# KiCad board enclosurefinal01.kicad_pcb (continued)
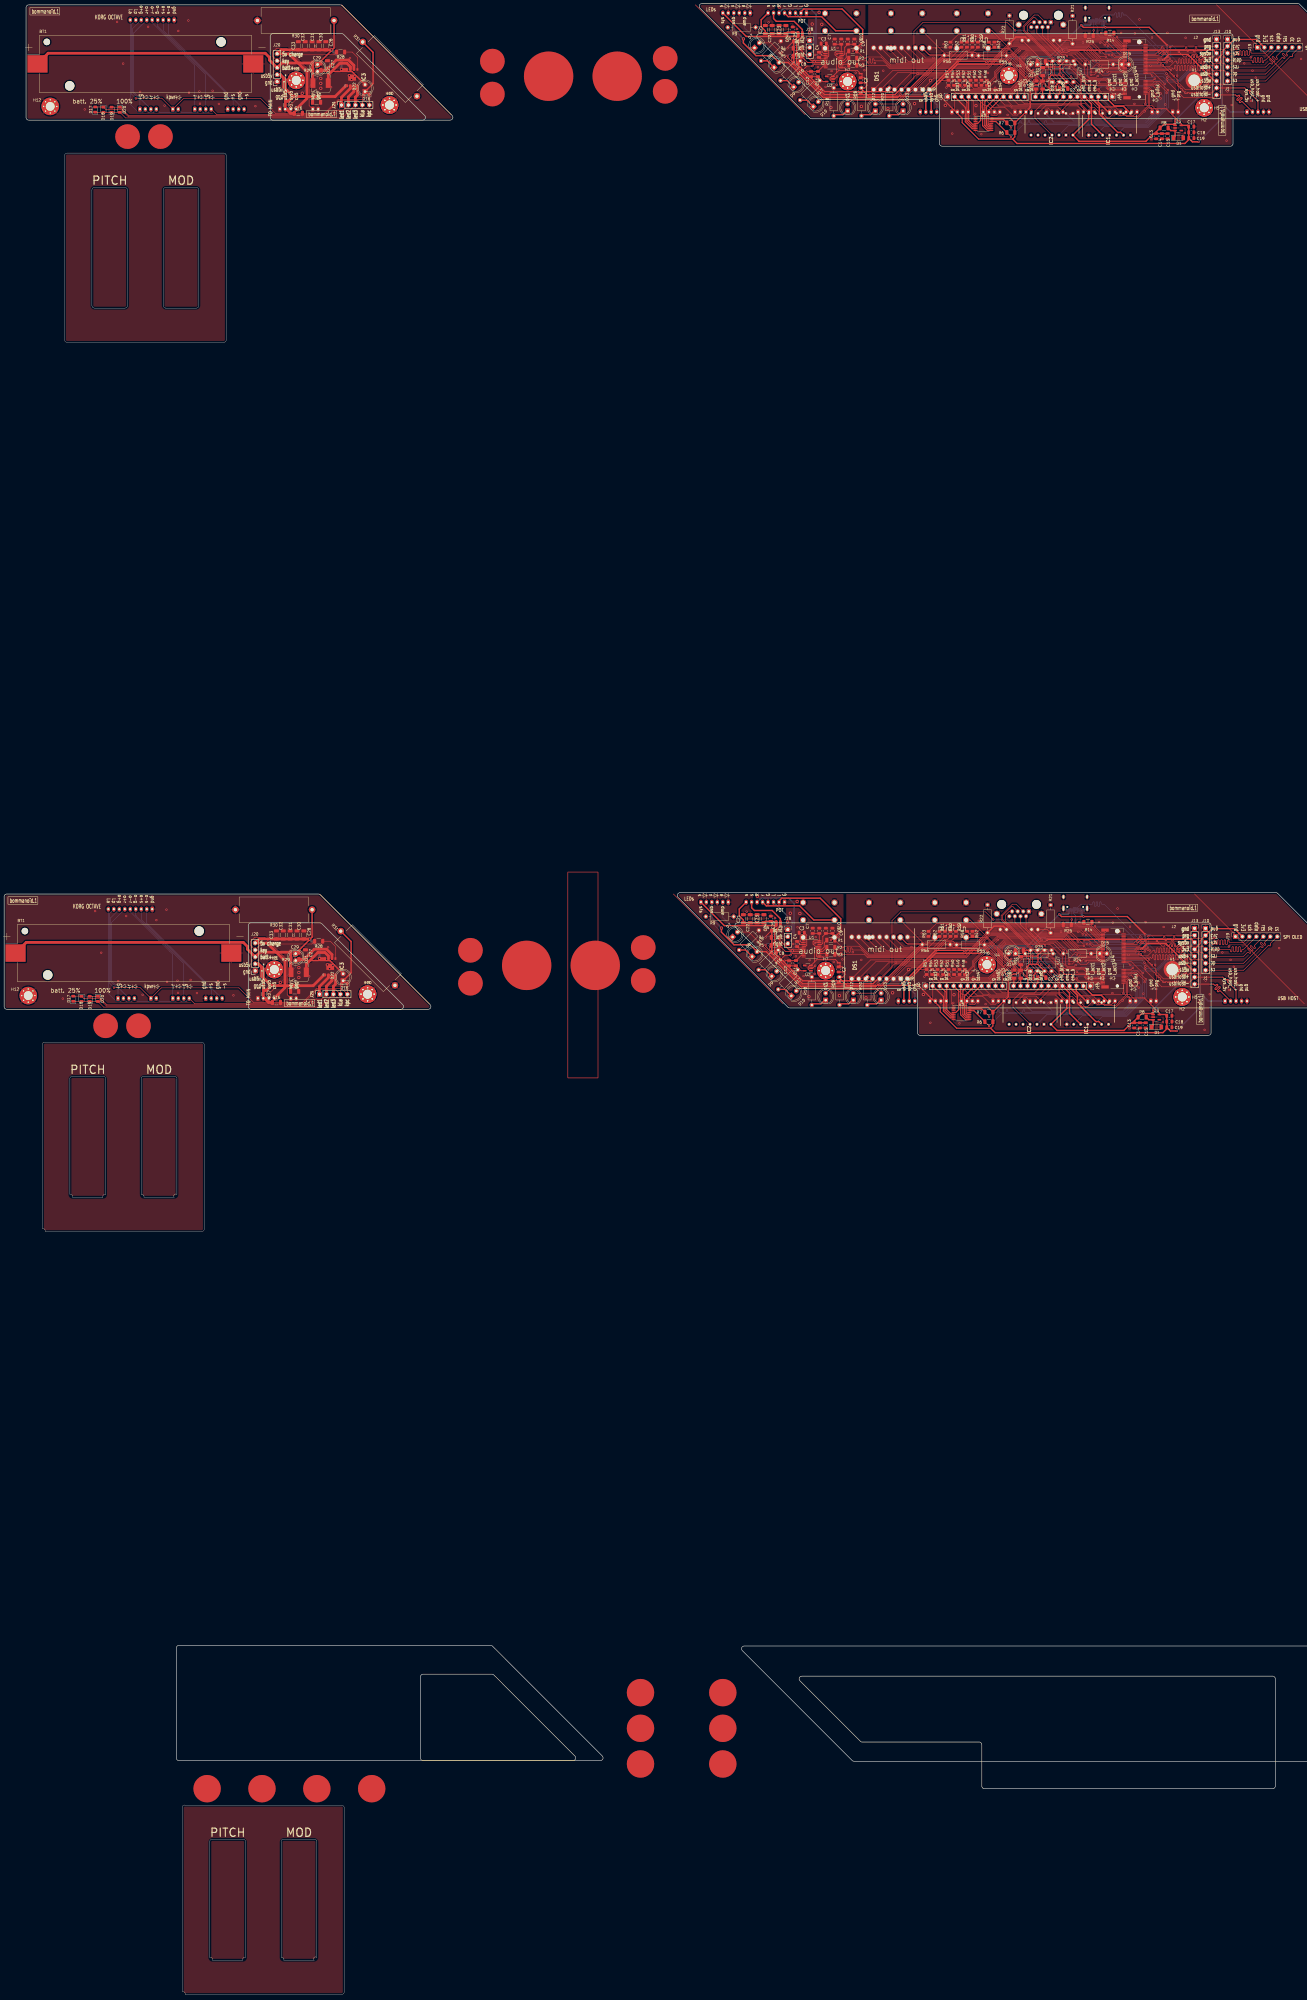
[diagram p0: board, top side]
## Placement (name value [footprint] x y rotation side) (continued)
R63#2  220  [R_0805_2012Metric]  345 710.5 90 top
U1  PCM5102A  [TSSOP-20_4.4x6.5mm_P0.65mm]  302.38 705 0 top
U1#2  PCM5102A  [TSSOP-20_4.4x6.5mm_P0.65mm]  294.38 381 0 top
U2  TLV75733PDBV  [SOT-23-5]  301 698 180 top
U2#2  TLV75733PDBV  [SOT-23-5]  293 374 180 top
U3  TLV75733PDBV  [SOT-23-5]  420.01 356.15 0 top
U3#2  TLV75733PDBV  [SOT-23-5]  428.01 680.15 0 top
U4  APCI0108-P001A Teensy_4.0_MicroMod  [APCI0108-P001A M.2 MicroMod 21992304]  404.19 377.5 90 top
U4#2  APCI0108-P001A Teensy_4.0_MicroMod  [APCI0108-P001A M.2 MicroMod 21992304]  412.19 701.5 90 top
U5  TCA9554PW  [TSSOP-16_4.4x5mm_P0.65mm]  349 357.5 0 top
U5#2  TCA9554PW  [TSSOP-16_4.4x5mm_P0.65mm]  357 681.5 0 top
U6  Micromod outline  [Teensy_4.0_MicroMod outline fab]  408.34 374.8 0 top
U6#2  Micromod outline  [Teensy_4.0_MicroMod outline fab]  416.34 698.8 0 top
U7  6N138  [DIP-8_W7.62mm]  374.2 372.9 90 top
U7#2  6N138  [DIP-8_W7.62mm]  382.2 696.9 90 top
U8  ssd1306_graphic  [SSD1306_128x64_approximate]  450.5 711 0 top
U8#2  ssd1306_graphic  [SSD1306_128x64_approximate]  442.5 387 0 top

## Library data of the parts
C1 C1#2 C6 C6#2 C7 C7#2 C11 C11#2 C13 C13#2 = -: LCSC: C15850; LCSC part number: C15850; verif: 1
C2 C2#2 C9 C9#2 C10 C10#2 C12 C12#2 C15 C15#2 C19 C19#2 C20 C20#2 C25 C25#2 = -: LCSC: C49678; LCSC part number: C49678; verif: 1
C3 C3#2 C4 C4#2 C5 C5#2 C8 C8#2 = -: LCSC: C49217; LCSC part number: C49217; verif: 1
C14 C14#2 C18 C18#2 = -: LCSC: C5378; LCSC part number: C5378; verif: 1
C16 C16#2 C26 C26#2 = -: LCSC: C13585; LCSC part number: C13585; verif: 1
C17 C17#2 = -: LCSC: C28323; LCSC part number: C28323; verif: 1
C21 C21#2 C22 C22#2 C23 C23#2 C24 C24#2 C31 C31#2 C32 C32#2 NT1 NT1#2 R27 R27#2 R28 R28#2 R29 R29#2 U8 U8#2 = -: verif: 1
C27 C27#2 C28 C28#2 C29 C29#2 C30 C30#2 = -: LCSC: C12891; LCSC part number: C12891; verif: 1
C33 C33#2 = -: LCSC: C24497; LCSC part number: C24497; verif: 1
D1 D1#2 = -: LCSC: C393436; LCSC part number: C393436; verif: 1
D2 D2#2 = -: LCSC: C2128; LCSC part number: C2128; verif: 1
D16 D16#2 D17 D17#2 D18 D18#2 D19 D19#2 D20 D20#2 = -: LCSC: C264424; LCSC part number: C264424; verif: 1
DS1 DS1#2 = -: Description: DISPLAY, ALPHANUM., 0.54" GREEN CATH; LED Color:Green; Forward Current If:20mA; Luminous Intensity:6.9mcd; No. of Digits / Alpha:2; Character Size:13.8mm; Supply Voltage:2.2V; Display Area Width:25.2mm; Character Format:14 Segment RoHS Compliant: Yes; Height: 8.05; Manufacturer_Name: Kingbright; Mouser Part Number: 604-PDC54-11GWA; Mouser Price/Stock: https://www.mouser.co.uk/ProductDetail/Kingbright/PDC54-11GWA?qs=oCgOJbGQ3O%2FPlZNPZrbTCw%3D%3D
H1 H1#2 = -: LCSC: C2915630; LCSC part number: C2915630; verif: 1
IC1 IC1#2 IC2 IC2#2 = -: Description: Quadruple Bus Buffer Gates With 3-State Outputs; Height: 5.08; Manufacturer_Name: Texas Instruments; Mouser Part Number: 595-SN74AHCT125N; Mouser Price/Stock: https://www.mouser.co.uk/ProductDetail/Texas-Instruments/SN74AHCT125N?qs=1wQRf3HkBjyxwrHMwAiMfw%3D%3D
IC3 IC3#2 = -: LCSC: C181692; LCSC part number: C181692; verif: 1
J6 J6#2 = -: LCSC: C319148; LCSC part number: C319148; verif: 1
J11 J11#2 J12 J12#2 J14 J14#2 = -: Description: Phone Connectors 1/4"HOR Snap-fit CHASSIS CONN; Height: 12.7; Manufacturer_Name: Amphenol; Manufacturer_Part_Number: ACJS-MHOM; Mouser Part Number: 523-ACJS-MHOM; Mouser Price/Stock: https://www.mouser.co.uk/ProductDetail/Amphenol-Audio/ACJS-MHOM?qs=t8VhaDIDl4vZ9ROsgrVY0w%3D%3D
L1 L1#2 = -: LCSC: C385251; LCSC part number: C385251; verif: 1
R1 R1#2 R2 R2#2 R3 R3#2 = -: LCSC: C17958; LCSC part number: C17958; verif: 1
R4 R4#2 R5 R5#2 R11 R11#2 = -: LCSC: C4502; LCSC part number: C4502; verif: 1
R6 R6#2 R7 R7#2 = -: LCSC: C17936; LCSC part number: C17936; verif: 1
R8 R8#2 = -: LCSC: C17900; LCSC part number: C17900; verif: 1
R10 R10#2 = -: LCSC: C17957; LCSC part number: C17957; verif: 1
R12 R12#2 R13 R13#2 = -: LCSC: C17969; LCSC part number: C17969; verif: 1
R14 R14#2 R25 R25#2 = -: LCSC: C26033; LCSC part number: C26033; verif: 1
U1 U1#2 = -: LCSC: C107671; LCSC part number: C107671; verif: 1
U2 U2#2 U3 U3#2 = -: LCSC: C485517; LCSC part number: C485517; verif: 1
U4 U4#2 = -: LCSC: C841659; LCSC part number: C841659; verif: 1
U6 U6#2 = -: verif: 1; Field7: Teensy_4.0_MicroMod
U7 U7#2 = -: LCSC: C571211; LCSC part number: C571211; verif: 1

## Footprints (pads in the part's own frame, mm; a bottom-side part is the same pattern mirrored in y, then rotated)
ACJSMHOM
  round 2.25 hole 1.5: 1(0,0) 2(6.35,0) 3(12.7,0) 4(12.7,11.43) 5(6.35,11.43) 6(0,11.43)
APCI0108-P001A M.2 MicroMod 21992304
  round 1.15 hole 1.15 unplated: (-10,-1.65)
  round 1.65 hole 1.65 unplated: (10,-1.65)
  rect 0.3x1.55 smd: 1(-9.25,3.625) 2(-9,-3.925) 3(-8.75,3.625) 4(-8.5,-3.925) 5(-8.25,3.625) 6(-8,-3.925) 7(-7.75,3.625) 8(-7.5,-3.925) 9(-7.25,3.625) 10(-7,-3.925) 11(-6.75,3.625) 12(-6.5,-3.925) 13(-6.25,3.625) 14(-6,-3.925) 15(-5.75,3.625) 16(-5.5,-3.925) 17(-5.25,3.625) 18(-5,-3.925) 19(-4.75,3.625) 20(-4.5,-3.925) 21(-4.25,3.625) 22(-4,-3.925) 23(-3.75,3.625) 32(-1.5,-3.925) 33(-1.25,3.625) 34(-1,-3.925) 35(-0.75,3.625) 36(-0.5,-3.925) 37(-0.25,3.625) 38(0,-3.925) 39(0.25,3.625) 40(0.5,-3.925) 41(0.75,3.625) 42(1,-3.925) 43(1.25,3.625) 44(1.5,-3.925) 45(1.75,3.625) 46(2,-3.925) 47(2.25,3.625) 48(2.5,-3.925) 49(2.75,3.625) 50(3,-3.925) 51(3.25,3.625) 52(3.5,-3.925) 53(3.75,3.625) 54(4,-3.925) 55(4.25,3.625) 56(4.5,-3.925) 57(4.75,3.625) 58(5,-3.925) 59(5.25,3.625) 60(5.5,-3.925) 61(5.75,3.625) 62(6,-3.925) 63(6.25,3.625) 64(6.5,-3.925) 65(6.75,3.625) 66(7,-3.925) 67(7.25,3.625) 68(7.5,-3.925) 69(7.75,3.625) 70(8,-3.925) 71(8.25,3.625) 72(8.5,-3.925) 73(8.75,3.625) 74(9,-3.925) 75(9.25,3.625)
  rect 1.2x2.75 smd: MP1(-10.35,2.85) MP2(10.35,2.85)
BatteryHolder_Keystone_1042_1x18650
  round 2.39 hole 2.39 unplated: (-35.93,8)
  round 3.45 hole 3.45 unplated: (-27.6,-8) (27.6,8)
  rect 7.34x6.35 smd: 1(-39.33,0) 2(39.33,0)
C_0805_2012Metric
  rrect 1x1.45 smd: 1(-0.95,0) 2(0.95,0)
C_1206_3216Metric
  rrect 1.15x1.8 smd: 1(-1.475,0) 2(1.475,0)
D_MiniMELF
  rect 1.3x1.7 smd: 1(-1.75,0) 2(1.75,0)
D_SOD-323
  rect 0.6x0.45 smd: 1(-1.05,0) 2(1.05,0)
DIP794W53P254L1930H508Q14N
  rect 1.13x1.13 hole 0.73: 1(-3.97,7.62)
  round 1.13 hole 0.73: 2(-3.97,5.08) 3(-3.97,2.54) 4(-3.97,0) 5(-3.97,-2.54) 6(-3.97,-5.08) 7(-3.97,-7.62) 8(3.97,-7.62) 9(3.97,-5.08) 10(3.97,-2.54) 11(3.97,0) 12(3.97,2.54) 13(3.97,5.08) 14(3.97,7.62)
DIP-8_W7.62mm
  rect 1.6x1.6 hole 0.8: 1(0,0)
  oval 1.6x1.6 hole 0.8: 2(0,-2.54) 3(0,-5.08) 4(0,-7.62) 5(7.62,-7.62) 6(7.62,-5.08) 7(7.62,-2.54) 8(7.62,0)
DIPS1524W75P254L2520H805Q18N
  rect 1.875x1.875 hole 1.25: 1(0,0)
  round 1.875 hole 1.25: 2(0,-2.54) 3(0,-5.08) 4(0,-7.62) 5(0,-10.16) 6(0,-12.7) 7(0,-15.24) 8(0,-17.78) 9(0,-20.32) 10(15.24,-20.32) 11(15.24,-17.78) 12(15.24,-15.24) 13(15.24,-12.7) 14(15.24,-10.16) 15(15.24,-7.62) 16(15.24,-5.08) 17(15.24,-2.54) 18(15.24,0)
Inductor_MCS0630-1R0MN2
  rect 1.85x3.5 smd: 1(-2.8,3.4) 2(2.8,3.4)
JST_PH_B2B-PH-K_1x02_P2.00mm_Vertical
  rrect 1.2x1.75 hole 0.75: 1(0,0)
  oval 1.2x1.75 hole 0.75: 2(2,0)
JST_PH_B4B-PH-K_1x04_P2.00mm_Vertical
  rrect 1.2x1.75 hole 0.75: 1(0,0)
  oval 1.2x1.75 hole 0.75: 2(2,0) 3(4,0) 4(6,0)
JST_PH_B5B-PH-K_1x05_P2.00mm_Vertical
  rrect 1.2x1.75 hole 0.75: 1(0,0)
  oval 1.2x1.75 hole 0.75: 2(2,0) 3(4,0) 4(6,0) 5(8,0)
JST_PH_B6B-PH-K_1x06_P2.00mm_Vertical
  rrect 1.2x1.75 hole 0.75: 1(0,0)
  oval 1.2x1.75 hole 0.75: 2(2,0) 3(4,0) 4(6,0) 5(8,0) 6(10,0)
JST_PH_B8B-PH-K_1x08_P2.00mm_Vertical
  rrect 1.2x1.75 hole 0.75: 1(0,0)
  oval 1.2x1.75 hole 0.75: 2(2,0) 3(4,0) 4(6,0) 5(8,0) 6(10,0) 7(12,0) 8(14,0)
JST_PH_B9B-PH-K_1x09_P2.00mm_Vertical
  rrect 1.2x1.75 hole 0.75: 1(0,0)
  oval 1.2x1.75 hole 0.75: 2(2,0) 3(4,0) 4(6,0) 5(8,0) 6(10,0) 7(12,0) 8(14,0) 9(16,0)
LED_0805_2012Metric
  rrect 0.975x1.4 smd: 1(-0.938,0) 2(0.938,0)
LED_D5.0mm_withbottomtext
  rect 1.8x1.8 hole 0.9: 1(0,0)
  round 1.8 hole 0.9: 2(2.54,0)
MountingHole_3.2mm_M3_Pad_Via
  round 0.8 hole 0.5: 1(-2.4,0) 1(-1.697,1.697) 1(-1.697,-1.697) 1(0,2.4) 1(0,-2.4) 1(1.697,1.697) 1(1.697,-1.697) 1(2.4,0)
  round 6.4 hole 3.2: 1(0,0)
NetTie-2_SMD_Pad0.5mm
  round 0.5 smd: 1(-0.5,0) 2(0.5,0)
NetTie-2_SMD_Pad1.0mm
  round 1 smd: 1(-0.35,0) 2(1.15,0)
PinHeader_1x03_P2.54mm_Vertical
  rect 1.7x1.7 hole 1: 1(0,0)
  oval 1.7x1.7 hole 1: 2(0,-2.54) 3(0,-5.08)
PinHeader_1x07_P2.54mm_Vertical
  rect 1.7x1.7 hole 1: 1(0,0)
  oval 1.7x1.7 hole 1: 2(0,-2.54) 3(0,-5.08) 4(0,-7.62) 5(0,-10.16) 6(0,-12.7) 7(0,-15.24)
PinHeader_1x09_P2.54mm_Vertical
  rect 1.7x1.7 hole 1: 1(0,0)
  oval 1.7x1.7 hole 1: 2(0,-2.54) 3(0,-5.08) 4(0,-7.62) 5(0,-10.16) 6(0,-12.7) 7(0,-15.24) 8(0,-17.78) 9(0,-20.32)
PinHeader_1x12_P2.54mm_Vertical
  rect 1.7x1.7 hole 1: 1(0,0)
  oval 1.7x1.7 hole 1: 2(0,-2.54) 3(0,-5.08) 4(0,-7.62) 5(0,-10.16) 6(0,-12.7) 7(0,-15.24) 8(0,-17.78) 9(0,-20.32) 10(0,-22.86) 11(0,-25.4) 12(0,-27.94)
PinSocket_1x03_P2.54mm_Vertical
  rect 1.7x1.7 hole 1: 1(0,0)
  oval 1.7x1.7 hole 1: 2(0,-2.54) 3(0,-5.08)
PinSocket_1x05_P2.54mm_Vertical
  rect 1.7x1.7 hole 1: 1(0,0)
  oval 1.7x1.7 hole 1: 2(0,-2.54) 3(0,-5.08) 4(0,-7.62) 5(0,-10.16)
PinSocket_1x07_P2.54mm_Vertical
  rect 1.7x1.7 hole 1: 1(0,0)
  oval 1.7x1.7 hole 1: 2(0,-2.54) 3(0,-5.08) 4(0,-7.62) 5(0,-10.16) 6(0,-12.7) 7(0,-15.24)
PinSocket_1x09_P2.54mm_Vertical
  rect 1.7x1.7 hole 1: 1(0,0)
  oval 1.7x1.7 hole 1: 2(0,-2.54) 3(0,-5.08) 4(0,-7.62) 5(0,-10.16) 6(0,-12.7) 7(0,-15.24) 8(0,-17.78) 9(0,-20.32)
PinSocket_1x12_P2.54mm_Vertical
  rect 1.7x1.7 hole 1: 1(0,0)
  oval 1.7x1.7 hole 1: 2(0,-2.54) 3(0,-5.08) 4(0,-7.62) 5(0,-10.16) 6(0,-12.7) 7(0,-15.24) 8(0,-17.78) 9(0,-20.32) 10(0,-22.86) 11(0,-25.4) 12(0,-27.94)
R_0805_2012Metric
  rrect 1.025x1.4 smd: 1(-0.912,0) 2(0.912,0)
R_1206_3216Metric
  rrect 1.125x1.75 smd: 1(-1.462,0) 2(1.462,0)
R_Axial_DIN0207_L6.3mm_D2.5mm_P10.16mm_Horizontal
  round 1.6 hole 0.8: 1(0,0)
  oval 1.6x1.6 hole 0.8: 2(10.16,0)
R_Axial_Power_L25.0mm_W9.0mm_P27.94mm
  round 2.4 hole 1.2: 1(0,0)
  oval 2.4x2.4 hole 1.2: 2(27.94,0)
RJ45_Amphenol_RJHSE538X
  round 3.25 hole 3.25 unplated: (-2.79,2.54) (9.91,2.54)
  rect 1.5x1.5 hole 0.89: 1(0,0)
  round 1.5 hole 0.89: 2(1.016,-1.78) 3(2.032,0) 4(3.048,-1.78) 5(4.064,0) 6(5.08,-1.78) 7(6.096,0) 8(7.112,-1.78) 9(-3.3,-6.6) 10(-1.01,-6.6) 11(8.13,-6.6) 12(10.42,-6.6)
  round 2.3 hole 1.57: SH(-4.57,-0.89) SH(11.69,-0.89)
Sinhoo SMTSO2530CTJ
  round 6.2 hole 4.22: 1(0,0)
SOIC127P599X155-9N (IP5306)
  rect 0.95x0.7 smd: 1(-2.975,1.905) 2(-2.975,0.635) 3(-2.975,-0.635) 4(-2.975,-1.905) 5(2.975,-1.905) 6(2.975,-0.635) 7(2.975,0.635) 8(2.975,1.905)
  rect 2.25x2.85 smd: 9(0,0)
SOT-23-5
  rrect 1.325x0.6 smd: 1(-1.137,0.95) 2(-1.137,0) 3(-1.137,-0.95) 4(1.137,-0.95) 5(1.137,0.95)
TSSOP-16_4.4x5mm_P0.65mm
  rrect 1.475x0.4 smd: 1(-2.862,2.275) 2(-2.862,1.625) 3(-2.862,0.975) 4(-2.862,0.325) 5(-2.862,-0.325) 6(-2.862,-0.975) 7(-2.862,-1.625) 8(-2.862,-2.275) 9(2.862,-2.275) 10(2.862,-1.625) 11(2.862,-0.975) 12(2.862,-0.325) 13(2.862,0.325) 14(2.862,0.975) 15(2.862,1.625) 16(2.862,2.275)
TSSOP-20_4.4x6.5mm_P0.65mm
  rrect 1.475x0.4 smd: 1(-2.862,2.925) 2(-2.862,2.275) 3(-2.862,1.625) 4(-2.862,0.975) 5(-2.862,0.325) 6(-2.862,-0.325) 7(-2.862,-0.975) 8(-2.862,-1.625) 9(-2.862,-2.275) 10(-2.862,-2.925) 11(2.862,-2.925) 12(2.862,-2.275) 13(2.862,-1.625) 14(2.862,-0.975) 15(2.862,-0.325) 16(2.862,0.325) 17(2.862,0.975) 18(2.862,1.625) 19(2.862,2.275) 20(2.862,2.925)
USB_C_Receptacle_XKB_U262-16XN-4BVC11
  round 0.65 hole 0.65 unplated: (-2.89,2.605) (2.89,2.605)
  rect 0.3x1.15 smd: A1(-3.35,3.67) A4(-2.55,3.67) A5(-1.25,3.67) A6(-0.25,3.67) A7(0.25,3.67) A8(1.25,3.67) A9(2.55,3.67) A12(3.35,3.67) B1(3.05,3.67) B4(2.25,3.67) B5(1.75,3.67) B6(0.75,3.67) B7(-0.75,3.67) B8(-1.75,3.67) B9(-2.25,3.67) B12(-3.05,3.67)
  oval 1x1.6 hole 0.6x1.2: S1(-4.32,-1.075) S1(4.32,-1.075)
  oval 1x2.1 hole 0.6x1.7: S1(-4.32,3.105) S1(4.32,3.105)

## Nets
/bommanoid_batt_bottom/5v_charge_outp: J23.5 J23#2.5 J34.4 J34#2.4
/bommanoid_batt_bottom/gnd: BT1.2 BT1#2.2 H10.1 H10#2.1 H11.1 H11#2.1 H12.1 H12#2.1 J23.1 J23#2.1 J25.1 J25#2.1 J26.2 J26#2.2 J34.1 J34#2.1 J53.1 J53.3 J53#2.1 J53#2.3 R30.2 R30#2.2 R31.2 R31#2.2
/bommanoid_batt_top/gnd: C16.2 C16#2.2 C26.2 C26#2.2 C27.2 C27#2.2 C28.2 C28#2.2 C29.2 C29#2.2 C30.2 C30#2.2 C31.2 C31#2.2 C32.2 C32#2.2 C33.2 C33#2.2 H8.1 H8#2.1 H9.1 H9#2.1 IC3.9 IC3#2.9 J20.1 J20#2.1
/bommanoid_main_bottom/3v3: J10.2 J10#2.2 J13.4 J13#2.4 J19.2 J19#2.2
/bommanoid_main_bottom/agnd: H7.1 H7#2.1 J12.3 J12.4 J12#2.3 J12#2.4 J18.1 J18#2.1 J33.1 J33.4 J33#2.1 J33#2.4
/bommanoid_main_bottom/gnd: C21.2 C21#2.2 C22.2 C22#2.2 C23.2 C23#2.2 C24.2 C24#2.2 C25.2 C25#2.2 H5.1 H5#2.1 H6.1 H6#2.1 J6.A1 J6.A12 J6.B1 J6.B12 J6.S1 J6#2.A1 J6#2.A12 J6#2.B1 J6#2.B12 J6#2.S1 J7.1 J7.3 J7#2.1 J7#2.3 J8.1 J8#2.1 J9.1 J9#2.1 J10.1 J10#2.1 J11.3 J11.4 J11#2.3 J11#2.4 J13.1 J13#2.1 J14.3 J14.4 J14#2.3 J14#2.4 J15.1 J15#2.1 J16.1 J16#2.1 J17.1 J17.SH J17#2.1 J17#2.SH J19.1 J19#2.1 J22.1 J22.3 J22.5 J22#2.1 J22#2.3 J22#2.5 J32.4 J32.5 J32#2.4 J32#2.5 J49.1 J49.3 J49#2.1 J49#2.3 J50.1 J50.3 J50#2.1 J50#2.3 J51.1 J51.3 J51#2.1 J51#2.3 J52.1 J52#2.1 J56.1 J56#2.1 J57.1 J57.3 J57.5 J57#2.1 J57#2.3 J57#2.5 R9.2 R9#2.2 R14.1 R14#2.1 R15.2 R15#2.2 R16.2 R16#2.2 R17.2 R17#2.2 R18.2 R18#2.2 R19.2 R19#2.2 R20.2 R20#2.2 R21.1 R21#2.1 R22.1 R22#2.1 R23.2 R23#2.2 R24.2 R24#2.2 R25.1 R25#2.1
/bommanoid_main_top/3v3: C1.1 C1#2.1 C2.1 C2#2.1 C17.1 C17#2.1 C18.1 C18#2.1 C19.1 C19#2.1 J1.2 J1#2.2 J2.4 J2#2.4 NT1.1 NT1#2.1 R6.2 R6#2.2 R7.2 R7#2.2 R11.1 R11#2.1 R12.2 R12#2.2 U3.5 U3#2.5 U4.2 U4#2.2 U5.16 U5#2.16
/bommanoid_main_top/a3v3: C11.1 C11#2.1 C12.1 C12#2.1 U1.1 U1.8 U1#2.1 U1#2.8 U2.5 U2#2.5
/bommanoid_main_top/agnd: C5.2 C5#2.2 C8.2 C8#2.2 C11.2 C11#2.2 C12.2 C12#2.2 H3.1 H3#2.1 J5.1 J5#2.1 U1.9 U1#2.9
/bommanoid_main_top/d3v3: C7.2 C7#2.2 C10.2 C10#2.2 NT1.2 NT1#2.2 U1.17 U1.20 U1#2.17 U1#2.20 U2.1 U2.3 U2#2.1 U2#2.3
/bommanoid_main_top/gnd: C1.2 C1#2.2 C2.2 C2#2.2 C6.2 C6#2.2 C7.1 C7#2.1 C9.2 C9#2.2 C10.1 C10#2.1 C13.2 C13#2.2 C14.2 C14#2.2 C15.2 C15#2.2 C17.2 C17#2.2 C18.2 C18#2.2 C19.2 C19#2.2 C20.2 C20#2.2 D1.2 D1#2.2 H1.1 H1#2.1 H2.1 H2#2.1 H4.1 H4#2.1 IC1.1 IC1.4 IC1.7 IC1.10 IC1.13 IC1#2.1 IC1#2.4 IC1#2.7 IC1#2.10 IC1#2.13 IC2.1 IC2.4 IC2.7 IC2.13 IC2#2.1 IC2#2.4 IC2#2.7 IC2#2.13 J1.1 J1#2.1 J2.1 J2#2.1 J3.1 J3#2.1 J4.1 J4#2.1 U1.10 U1.11 U1.16 U1.19 U1#2.10 U1#2.11 U1#2.16 U1#2.19 U2.2 U2#2.2 U3.2 U3#2.2 U4.1 U4.7 U4.33 U4.36 U4.39 U4.45 U4.75 U4#2.1 U4#2.7 U4#2.33 U4#2.36 U4#2.39 U4#2.45 U4#2.75 U5.1 U5.2 U5.3 U5.8 U5#2.1 U5#2.2 U5#2.3 U5#2.8 U7.5 U7#2.5
/bommanoid_batt_bottom/batt+: BT1.1 BT1#2.1 J23.3 J23#2.3
/bommanoid_batt_bottom/chargeled_1: D17.2 D17#2.2 D18.1 D18#2.1 J24.1 J24#2.1
/bommanoid_batt_bottom/chargeled_2: D19.2 D19#2.2 D20.1 D20#2.1 J24.2 J24#2.2
/bommanoid_batt_bottom/chargeled_3: D17.1 D17#2.1 D18.2 D18#2.2 D19.1 D19#2.1 D20.2 D20#2.2 J24.3 J24#2.3
/bommanoid_batt_bottom/key: J23.4 J23#2.4 J26.1 J26#2.1
/bommanoid_batt_bottom/korg_led_anode: J24.4 J24#2.4 J25.9 J25#2.9 J54.2 J54#2.2 J55.2 J55.4 J55#2.2 J55#2.4 J58.2 J58.4 J58#2.2 J58#2.4
/bommanoid_batt_bottom/korg_power_led_cathode: J24.5 J24#2.5 J25.8 J25#2.8 J54.1 J54#2.1
/bommanoid_batt_bottom/oct_down_green_cathode: J25.4 J25#2.4 J55.3 J55#2.3
/bommanoid_batt_bottom/oct_down_red_cathode: J25.5 J25#2.5 J55.1 J55#2.1
/bommanoid_batt_bottom/oct_down_sw: J25.2 J25#2.2 J53.4 J53#2.4
/bommanoid_batt_bottom/oct_up_green_cathode: J25.7 J25#2.7 J58.1 J58#2.1
/bommanoid_batt_bottom/oct_up_red_cathode: J25.6 J25#2.6 J58.3 J58#2.3
/bommanoid_batt_bottom/oct_up_sw: J25.3 J25#2.3 J53.2 J53#2.2
/bommanoid_batt_bottom/sys_5v: D21.2 D21#2.2 D22.2 D22#2.2 J34.3 J34#2.3
/bommanoid_batt_bottom/usb_5v: J23.2 J23#2.2 J34.2 J34#2.2
/bommanoid_batt_top/batt+: C29.1 C29#2.1 J20.3 J20#2.3 L1.2 L1#2.2 R29.1 R29#2.1
/bommanoid_batt_top/chargeled_1: IC3.2 IC3#2.2 J21.1 J21#2.1
/bommanoid_batt_top/chargeled_2: IC3.3 IC3#2.3 J21.2 J21#2.2
/bommanoid_batt_top/chargeled_3: IC3.4 IC3#2.4 J21.3 J21#2.3
/bommanoid_batt_top/charger output +5v: C28.1 C28#2.1 C30.1 C30#2.1 C31.1 C31#2.1 C32.1 C32#2.1 C33.1 C33#2.1 IC3.8 IC3#2.8 J20.5 J20#2.5
/bommanoid_batt_top/key: J20.4 J20#2.4 R28.2 R28#2.2
/bommanoid_batt_top/korg_power_led_anode: D16.2 D16#2.2 J21.4 J21#2.4
/bommanoid_batt_top/korg_power_led_cathode: D16.1 D16#2.1 J21.5 J21#2.5
/bommanoid_batt_top/usb_5v: C26.1 C26#2.1 IC3.1 IC3#2.1 J20.2 J20#2.2 R27.1 R27#2.1
/bommanoid_main_bottom/aleft_post_pot: J12.6 J12#2.6 J33.2 J33#2.2
/bommanoid_main_bottom/aleft_pre_pot: J18.2 J18#2.2 J33.3 J33#2.3
/bommanoid_main_bottom/amp_5v: D7.2 D7#2.2 J17.8 J17#2.8 J22.2 J22#2.2
/bommanoid_main_bottom/aright_post_pot: J12.5 J12#2.5 J33.5 J33#2.5
/bommanoid_main_bottom/aright_pre_pot: J18.3 J18#2.3 J33.6 J33#2.6
/bommanoid_main_bottom/btn_x1: J16.2 J16#2.2 J49.2 J49#2.2
/bommanoid_main_bottom/btn_x2: J16.3 J16#2.3 J49.4 J49#2.4
/bommanoid_main_bottom/btn_x3: J16.4 J16#2.4 J50.2 J50#2.2
/bommanoid_main_bottom/btn_x4: J16.5 J16#2.5 J50.4 J50#2.4
/bommanoid_main_bottom/btn_x5: J16.6 J16#2.6 J51.2 J51#2.2
/bommanoid_main_bottom/btn_x6: J16.7 J16#2.7 J51.4 J51#2.4
/bommanoid_main_bottom/btn_x7: J7.2 J7#2.2 J16.8 J16#2.8
/bommanoid_main_bottom/btn_x8: J7.4 J7#2.4 J16.9 J16#2.9
/bommanoid_main_bottom/chargeoutp_5v: J8.4 J8#2.4 NT4.2 NT4#2.2
/bommanoid_main_bottom/enc_a: J16.11 J16#2.11 J52.3 J52#2.3
/bommanoid_main_bottom/enc_b: J16.12 J16#2.12 J52.4 J52#2.4
/bommanoid_main_bottom/enc_btn: J16.10 J16#2.10 J52.2 J52#2.2
/bommanoid_main_bottom/led_act1_5v: D11.2 D11#2.2 J15.3 J15#2.3 J17.5 J17#2.5 J57.2 J57#2.2
/bommanoid_main_bottom/led_act2_5v: D12.2 D12#2.2 J15.4 J15#2.4 J17.6 J17#2.6 J57.4 J57#2.4
/bommanoid_main_bottom/led_act3_5v: D13.2 D13#2.2 J15.5 J15#2.5 J17.7 J17#2.7 J57.6 J57#2.6
/bommanoid_main_bottom/led_blink_5v: D10.2 D10#2.2 J15.2 J15#2.2 J17.4 J17#2.4 J56.2 J56#2.2
/bommanoid_main_bottom/led_rj45_green_5v: J15.7 J15#2.7 J17.12 J17#2.12
/bommanoid_main_bottom/led_rj45_yellow_5v: J15.6 J15#2.6 J17.10 J17#2.10
/bommanoid_main_bottom/midi_in_ring: J14.5 J14#2.5 J15.9 J15#2.9
/bommanoid_main_bottom/midi_in_tip: J14.6 J14#2.6 J15.10 J15#2.10
/bommanoid_main_bottom/midi_out_ring: J11.5 J11#2.5 J15.11 J15#2.11
/bommanoid_main_bottom/midi_out_tip: J11.6 J11#2.6 J15.12 J15#2.12
/bommanoid_main_bottom/oled_cs: J10.7 J10#2.7 J19.7 J19#2.7
/bommanoid_main_bottom/oled_data: J10.4 J10#2.4 J19.4 J19#2.4
/bommanoid_main_bottom/oled_dc: J10.6 J10#2.6 J19.6 J19#2.6
/bommanoid_main_bottom/oled_rst: J10.5 J10#2.5 J19.5 J19#2.5
/bommanoid_main_bottom/oled_sck: J10.3 J10#2.3 J19.3 J19#2.3
/bommanoid_main_bottom/pot_sw1: J33.7 J33#2.7 NT4.1 NT4#2.1
/bommanoid_main_bottom/pot_sw2: C21.1 C21#2.1 C22.1 C22#2.1 C23.1 C23#2.1 C24.1 C24#2.1 C25.1 C25#2.1 J33.8 J33#2.8 NT5.1 NT5#2.1
/bommanoid_main_bottom/prg: J9.2 J9#2.2 J13.2 J13#2.2
/bommanoid_main_bottom/sys_5v: D9.2 D9#2.2 D14.2 D14#2.2 D15.2 D15#2.2 J8.3 J8#2.3 J13.3 J13#2.3 J17.2 J17#2.2 J22.6 J22#2.6 J32.1 J32#2.1 NT5.2 NT5#2.2
/bommanoid_main_bottom/usb_5v: D8.2 D8#2.2 J6.A4 J6.A9 J6.B4 J6.B9 J6#2.A4 J6#2.A9 J6#2.B4 J6#2.B9 J8.2 J8#2.2 J13.7 J13#2.7 J22.4 J22#2.4
/bommanoid_main_bottom/usb_data_+: J6.A6 J6.B6 J6#2.A6 J6#2.B6 J13.5 J13#2.5
/bommanoid_main_bottom/usb_data_-: J6.A7 J6.B7 J6#2.A7 J6#2.B7 J13.6 J13#2.6
/bommanoid_main_bottom/usb_host_+: J13.8 J13#2.8 J32.3 J32#2.3
/bommanoid_main_bottom/usb_host_-: J13.9 J13#2.9 J32.2 J32#2.2
/bommanoid_main_bottom/ws2812_data_5v: J15.8 J15#2.8 J17.3 J17#2.3
/bommanoid_main_top/aleft: C5.1 C5#2.1 J5.2 J5#2.2 R4.2 R4#2.2
/bommanoid_main_top/aright: C8.1 C8#2.1 J5.3 J5#2.3 R5.2 R5#2.2
/bommanoid_main_top/btn_x1: J4.2 J4#2.2 U5.7 U5#2.7
/bommanoid_main_top/btn_x2: J4.3 J4#2.3 U5.6 U5#2.6
/bommanoid_main_top/btn_x3: J4.4 J4#2.4 U5.5 U5#2.5
/bommanoid_main_top/btn_x4: J4.5 J4#2.5 U5.4 U5#2.4
/bommanoid_main_top/btn_x5: J4.6 J4#2.6 U5.9 U5#2.9
/bommanoid_main_top/btn_x6: J4.7 J4#2.7 U5.10 U5#2.10
/bommanoid_main_top/btn_x7: J4.8 J4#2.8 U5.11 U5#2.11
/bommanoid_main_top/btn_x8: J4.9 J4#2.9 U5.12 U5#2.12
/bommanoid_main_top/enc_a: J4.11 J4#2.11 U4.43 U4#2.43
/bommanoid_main_top/enc_b: J4.12 J4#2.12 U4.41 U4#2.41
/bommanoid_main_top/enc_btn: J4.10 J4#2.10 U4.47 U4#2.47
/bommanoid_main_top/I2C_SCL: R6.1 R6#2.1 U4.14 U4#2.14 U5.14 U5#2.14
/bommanoid_main_top/I2C_SDA: R7.1 R7#2.1 U4.12 U4#2.12 U5.15 U5#2.15
/bommanoid_main_top/I2S_BCK_MM: R3.1 R3#2.1 U4.50 U4#2.50
/bommanoid_main_top/I2S_DIN_MM: R2.1 R2#2.1 U4.56 U4#2.56
/bommanoid_main_top/I2S_LRCK_MM: R1.1 R1#2.1 U4.52 U4#2.52
/bommanoid_main_top/ld_a: R62.2 R62#2.2 U4.71 U4#2.71
/bommanoid_main_top/ld_b: R63.2 R63#2.2 U4.73 U4#2.73
/bommanoid_main_top/ld_c: R57.1 R57#2.1 U4.22 U4#2.22
/bommanoid_main_top/ld_d: R53.1 R53#2.1 U4.38 U4#2.38
/bommanoid_main_top/LD_dig1: R55.2 R55#2.2 U4.53 U4#2.53
/bommanoid_main_top/LD_dig2: R56.2 R56#2.2 U4.58 U4#2.58
/bommanoid_main_top/ld_dp: R54.1 R54#2.1 U4.32 U4#2.32
/bommanoid_main_top/ld_e: R48.1 R48#2.1 U4.49 U4#2.49
/bommanoid_main_top/ld_f: R47.1 R47#2.1 U4.63 U4#2.63
/bommanoid_main_top/ld_g: R58.2 R58#2.2 U4.60 U4#2.60
/bommanoid_main_top/ld_h: R59.2 R59#2.2 U4.65 U4#2.65
/bommanoid_main_top/ld_j: R60.2 R60#2.2 U4.67 U4#2.67
/bommanoid_main_top/ld_k: R52.1 R52#2.1 U4.44 U4#2.44
/bommanoid_main_top/ld_l: R51.1 R51#2.1 U4.46 U4#2.46
/bommanoid_main_top/ld_m: R50.1 R50#2.1 U4.48 U4#2.48
/bommanoid_main_top/ld_n: R49.1 R49#2.1 U4.51 U4#2.51
/bommanoid_main_top/ld_p: R61.2 R61#2.2 U4.69 U4#2.69
/bommanoid_main_top/led_act1_3v3: IC1.12 IC1#2.12 U4.8 U4#2.8
/bommanoid_main_top/led_act1_5v: IC1.11 IC1#2.11 J3.3 J3#2.3
/bommanoid_main_top/led_act2_3v3: IC1.5 IC1#2.5 U4.20 U4#2.20
/bommanoid_main_top/led_act2_5v: IC1.6 IC1#2.6 J3.4 J3#2.4
/bommanoid_main_top/led_act3_3v3: IC1.2 IC1#2.2 U4.18 U4#2.18
/bommanoid_main_top/led_act3_5v: IC1.3 IC1#2.3 J3.5 J3#2.5
/bommanoid_main_top/led_blink_3v3: IC1.9 IC1#2.9 U4.4 U4#2.4
/bommanoid_main_top/led_blink_5v: IC1.8 IC1#2.8 J3.2 J3#2.2
/bommanoid_main_top/led_rj45_green_3v3: IC2.5 IC2#2.5 U4.16 U4#2.16
/bommanoid_main_top/led_rj45_green_5v: IC2.6 IC2#2.6 J3.7 J3#2.7
/bommanoid_main_top/led_rj45_yellow_3v3: IC2.2 IC2#2.2 U4.10 U4#2.10
/bommanoid_main_top/led_rj45_yellow_5v: IC2.3 IC2#2.3 J3.6 J3#2.6
/bommanoid_main_top/midi_in_ring: J3.9 J3#2.9 R10.1 R10#2.1
/bommanoid_main_top/midi_in_tip: D2.2 D2#2.2 J3.10 J3#2.10 U7.3 U7#2.3
/bommanoid_main_top/midi_out_ring: J3.11 J3#2.11 R12.1 R12#2.1
/bommanoid_main_top/midi_out_tip: J3.12 J3#2.12 R13.1 R13#2.1
/bommanoid_main_top/oled_cs: J1.7 J1#2.7 U4.55 U4#2.55
/bommanoid_main_top/oled_data: J1.4 J1#2.4 U4.59 U4#2.59
/bommanoid_main_top/oled_dc: J1.6 J1#2.6 U4.40 U4#2.40
/bommanoid_main_top/oled_rst: J1.5 J1#2.5 U4.42 U4#2.42
/bommanoid_main_top/oled_sck: J1.3 J1#2.3 U4.57 U4#2.57
/bommanoid_main_top/prg: J2.2 J2#2.2 U4.11 U4#2.11
/bommanoid_main_top/sys_5v: C13.1 C13#2.1 C14.1 C14#2.1 C15.1 C15#2.1 C20.1 C20#2.1 IC1.14 IC1#2.14 IC2.14 IC2#2.14 J2.3 J2#2.3 R8.2 R8#2.2 U3.1 U3#2.1 U4.9 U4#2.9 U7.8 U7#2.8
/bommanoid_main_top/T00 MIDI IN: R11.2 R11#2.2 U4.19 U4#2.19 U7.6 U7#2.6
/bommanoid_main_top/T01=MIDI OUT: R13.2 R13#2.2 U4.17 U4#2.17
/bommanoid_main_top/usb_5v: J2.7 J2#2.7
/bommanoid_main_top/usb_data_+: J2.5 J2#2.5 U4.3 U4#2.3
/bommanoid_main_top/usb_data_-: J2.6 J2#2.6 U4.5 U4#2.5
/bommanoid_main_top/usb_host_+: J2.8 J2#2.8 U4.35 U4#2.35
/bommanoid_main_top/usb_host_-: J2.9 J2#2.9 U4.37 U4#2.37
/bommanoid_main_top/ws2812_data_1: IC2.11 IC2#2.11 J3.8 J3#2.8
/bommanoid_main_top/ws2812_data_3v3: IC2.12 IC2#2.12 U4.34 U4#2.34
Net-(C3-Pad1): C3.1 C3#2.1 U1.2 U1#2.2
Net-(C3-Pad2): C3.2 C3#2.2 U1.4 U1#2.4
Net-(C4-Pad1): C4.1 C4#2.1 U1.5 U1#2.5
Net-(C4-Pad2): C4.2 C4#2.2 U1.3 U1#2.3
Net-(C6-Pad1): C6.1 C6#2.1 C9.1 C9#2.1 U1.18 U1#2.18
Net-(C16-Pad1): C16.1 C16#2.1 R27.2 R27#2.2
Net-(C27-Pad1): C27.1 C27#2.1 IC3.6 IC3#2.6 R29.2 R29#2.2
Net-(D1-Pad1): D1.1 D1#2.1 R8.1 R8#2.1 U3.3 U3#2.3
Net-(D2-Pad1): D2.1 D2#2.1 R10.2 R10#2.2 U7.2 U7#2.2
Net-(D7-Pad1): D7.1 D7#2.1 R9.1 R9#2.1
Net-(D8-Pad1): D8.1 D8#2.1 R15.1 R15#2.1
Net-(D9-Pad1): D9.1 D9#2.1 R16.1 R16#2.1
Net-(D10-Pad1): D10.1 D10#2.1 R17.1 R17#2.1
Net-(D11-Pad1): D11.1 D11#2.1 R18.1 R18#2.1
Net-(D12-Pad1): D12.1 D12#2.1 R19.1 R19#2.1
Net-(D13-Pad1): D13.1 D13#2.1 R20.1 R20#2.1
Net-(D14-Pad1): D14.1 D14#2.1 R23.1 R23#2.1
Net-(D15-Pad1): D15.1 D15#2.1 R24.1 R24#2.1
Net-(D21-Pad1): D21.1 D21#2.1 R30.1 R30#2.1
Net-(D22-Pad1): D22.1 D22#2.1 R31.1 R31#2.1
Net-(DS1-Pad1): DS1.1 DS1#2.1 R48.2 R48#2.2
Net-(DS1-Pad2): DS1.2 DS1#2.2 R49.2 R49#2.2
Net-(DS1-Pad4): DS1.4 DS1#2.4 R50.2 R50#2.2
Net-(DS1-Pad5): DS1.5 DS1#2.5 R51.2 R51#2.2
Net-(DS1-Pad6): DS1.6 DS1#2.6 R52.2 R52#2.2
Net-(DS1-Pad7): DS1.7 DS1#2.7 R53.2 R53#2.2
Net-(DS1-Pad8): DS1.8 DS1#2.8 R54.2 R54#2.2
Net-(DS1-Pad9): DS1.9 DS1#2.9 R57.2 R57#2.2
Net-(DS1-Pad10): DS1.10 DS1#2.10 R63.1 R63#2.1
Net-(DS1-Pad11): DS1.11 DS1#2.11 R56.1 R56#2.1
Net-(DS1-Pad12): DS1.12 DS1#2.12 R62.1 R62#2.1
Net-(DS1-Pad13): DS1.13 DS1#2.13 R61.1 R61#2.1
Net-(DS1-Pad14): DS1.14 DS1#2.14 R60.1 R60#2.1
Net-(DS1-Pad15): DS1.15 DS1#2.15 R59.1 R59#2.1
Net-(DS1-Pad16): DS1.16 DS1#2.16 R55.1 R55#2.1
Net-(DS1-Pad17): DS1.17 DS1#2.17 R58.1 R58#2.1
Net-(DS1-Pad18): DS1.18 DS1#2.18 R47.2 R47#2.2
Net-(IC3-Pad5): IC3.5 IC3#2.5 R28.1 R28#2.1
Net-(IC3-Pad7): IC3.7 IC3#2.7 L1.1 L1#2.1
Net-(J6-PadA5): J6.A5 J6#2.A5 R25.2 R25#2.2
Net-(J6-PadB5): J6.B5 J6#2.B5 R14.2 R14#2.2
Net-(J17-Pad9): J17.9 J17#2.9 R21.2 R21#2.2
Net-(J17-Pad11): J17.11 J17#2.11 R22.2 R22#2.2
Net-(R1-Pad2): R1.2 R1#2.2 U1.15 U1#2.15
Net-(R2-Pad2): R2.2 R2#2.2 U1.14 U1#2.14
Net-(R3-Pad2): R3.2 R3#2.2 U1.13 U1#2.13
Net-(R4-Pad1): R4.1 R4#2.1 U1.6 U1#2.6
Net-(R5-Pad1): R5.1 R5#2.1 U1.7 U1#2.7

Pads without a net: DS1 3; DS1#2 3; IC2 8 9 10; IC2#2 8 9 10; J6 A8 B8; J6#2 A8 B8; J11 1 2; J11#2 1 2; J12 1 2; J12#2 1 2; J14 1 2; J14#2 1 2; U1 12; U1#2 12; U2 4; U2#2 4; U3 4; U3#2 4; U4 6 13 15 21 23 54 61 62 64 66 68 70 72 74 MP1 MP2; U4#2 6 13 15 21 23 54 61 62 64 66 68 70 72 74 MP1 MP2; U5 13; U5#2 13; U7 1 4 7; U7#2 1 4 7

## Via types
v1: diameter 0.8, hole 0.4, Top to Bottom, 426 vias
v2: diameter 1.2, hole 0.6, Top to Bottom, 48 vias

## Routing (per net, layer and track width the routed paths; a pad name or vN(x,y) marks a point on that pad's centre or on a via; arc(x,y) is an arc through that point)
/bommanoid_batt_bottom/5v_charge_outp: length 57.6
  Top w1: J34.4 110.4,690.9 110.4,700.6 103.84,707.16 J23.5 ; J34#2.4 102.4,366.9 102.4,376.6 95.84,383.16 J23#2.5
/bommanoid_batt_bottom/gnd:
  vias: v1(21.4,362.9) v1(29.4,686.9) v1(33.18,394.8) v1(35.4,379.6) v1(41.18,718.8) v1(41.6,369.3) v1(43.4,703.6) v1(44.5,393) v1(49.6,693.3) v1(50.5,364.3) v1(52.5,717) v1(55.5,391.5) v1(58.5,688.3) v1(59.18,395.3) v1(59.4,369) v1(63.2,369.4) v1(63.4,365) v1(63.5,715.5) v1(67.18,719.3) v1(67.4,693) v1(68,369.7) v1(70.3,364.9) v1(71.2,693.4) v1(71.4,689) v1(76,693.7) v1(78,369.3) v1(78.3,688.9) v1(83.6,364.1) v1(86,693.3) v1(91.6,688.1) v1(94.9,378.6) v1(102.9,702.6) v1(105.4,385.9) v1(111.2,371) v1(113.4,709.9) v1(118.1,381.6) v1(119.2,695) v1(126.1,705.6)
/bommanoid_batt_top/gnd:
  vias: v2(107.46,374.2) v2(107.46,372.4) v2(107.46,370.6) v2(115.46,698.2) v2(115.46,696.4) v2(115.46,694.6) v2(117.86,375.2) v2(118.66,373.8) v2(119.86,375) v2(125.86,699.2) v2(126.66,697.8) v2(127.86,699)
/bommanoid_main_bottom/3v3: length 44.7
  Top w0.4: J13#2.4 435.98,382.86 435.98,383.94 J10#2.2 ; J10.2 443.98,707.94 443.98,706.86 J13.4
  Top w0.5: J10.2 448.44,712.4 456.52,712.4 J19.2 ; J19#2.2 448.52,388.4 440.44,388.4 J10#2.2
/bommanoid_main_bottom/agnd:
  vias: v2(274.6,400.2) v2(282.6,724.2) v2(285.6,390.8) v2(286.6,394) v2(287.3,380.3) v2(289.1,398.3) v2(290.1,393.9) v2(293.6,714.8) v2(294.6,718) v2(295.3,704.3) v2(297.1,722.3) v2(298.1,717.9)
/bommanoid_main_bottom/gnd: length 4.8
  Bottom w0.2: J6#2.S1 402.26,719.23 J6#2.A12 ; J6#2.A1 394.59,719.8 J6#2.S1 ; J6.S1 394.26,395.23 J6.A12 ; J6.S1 386.59,395.8 J6.A1
  vias: v1(270.7,394.6) v1(278.7,718.6) v1(281,392.2) v1(289,716.2) v1(325.1,376) v1(330.8,381.7) v1(331.7,385.3) v1(333.1,700) v1(334.5,386.7) v1(335.5,370.9) v1(338.8,705.7) v1(339.7,709.3) v1(341.8,371.2) v1(342.5,710.7) v1(343.5,694.9) v1(349.8,695.2) v1(353.3,370.8) v1(354.6,387.3) v1(355.3,391.2) v1(355.9,384.4) v1(357.8,360.9) v1(360.9,371) v1(361.3,694.8) v1(362.2,384.3) v1(362.6,711.3) v1(363.3,715.2) v1(363.9,708.4) v1(365.8,684.9) v1(368.9,695) v1(369.2,361.2) v1(370.2,708.3) v1(372.3,373.5) v1(375.1,370.2) v1(377.2,685.2) v1(380.3,697.5) v1(380.7,361.2) v1(383.1,694.2) v1(385.3,387.3) v1(386.6,373.5) v1(387.4,370.6) v1(388.7,685.2) v1(391.6,387.2) v1(392.3,362.5) v1(393.3,711.3) v1(394,370.8) v1(394.6,697.5) v1(395.4,694.6) v1(399.2,390.8) v1(399.6,711.2) v1(400.3,686.5) v1(401.4,387.3) v1(402,694.8) v1(404.2,390.6) v1(405.9,395.7) v1(406.7,387.3) v1(407.2,714.8) v1(407.8,362.2) v1(409.4,711.3) v1(409.9,378.8) v1(412.2,714.6) v1(413.9,719.7) v1(414.7,711.3) v1(415.3,364.7) v1(415.8,686.2) v1(416,373.8) v1(416.1,390.8) v1(417.9,702.8) v1(422.6,369) v1(422.7,389) v1(423.3,688.7) v1(424,697.8) v1(424.1,714.8) v1(425.3,378.2) v1(425.7,382.6) v1(428.3,380) v1(429.4,381.8) v1(430.6,693) v1(430.7,713) v1(430.7,383.2) v1(430.8,372.3) v1(431,377.3) v1(433.3,702.2) v1(433.7,706.6) v1(435.5,361.5) v1(436.3,704) v1(437.4,705.8) v1(438,369.5) v1(438.7,707.2) v1(438.8,696.3) v1(439,701.3) v1(439.5,364.5) v1(441.2,384.9) v1(443.5,685.5) v1(444.1,379.7) v1(446,693.5) v1(446.5,381.9) v1(446.5,366) v1(447.1,377) v1(447.5,688.5) v1(448.3,374.5) v1(449.2,708.9) v1(449.5,368.5) v1(452.1,703.7) v1(454.5,705.9) v1(454.5,690) v1(455.1,701) v1(456.3,698.5) v1(457,388.5) v1(457.5,692.5) v1(464.8,381.3) v1(465,712.5) v1(472.8,705.3) v2(293.4,363.6) v2(301.4,687.6) v2(304.5,364) v2(312.5,688) v2(314.2,363.2) v2(322.2,687.2) v2(323.9,365) v2(329.7,373.5) v2(331.9,689) v2(335.1,364.4) v2(337.7,697.5) v2(343.1,688.4) v2(346.3,364.3) v2(354.3,688.3)
